# Altium PCB B1029_T01_V1.1.PcbDoc (part 1 of 2)
Units mm, origin at the board's own origin, x right, y up, seen from the top; angles counter-clockwise.
Board outline 50.91 x 35.43 mm, 4 copper layers (Top Layer, Mid-Layer 1, Mid-Layer 2, Bottom Layer), stack 0.842 mm thick; 178 components, 127 nets, 732 pads, 277 vias.
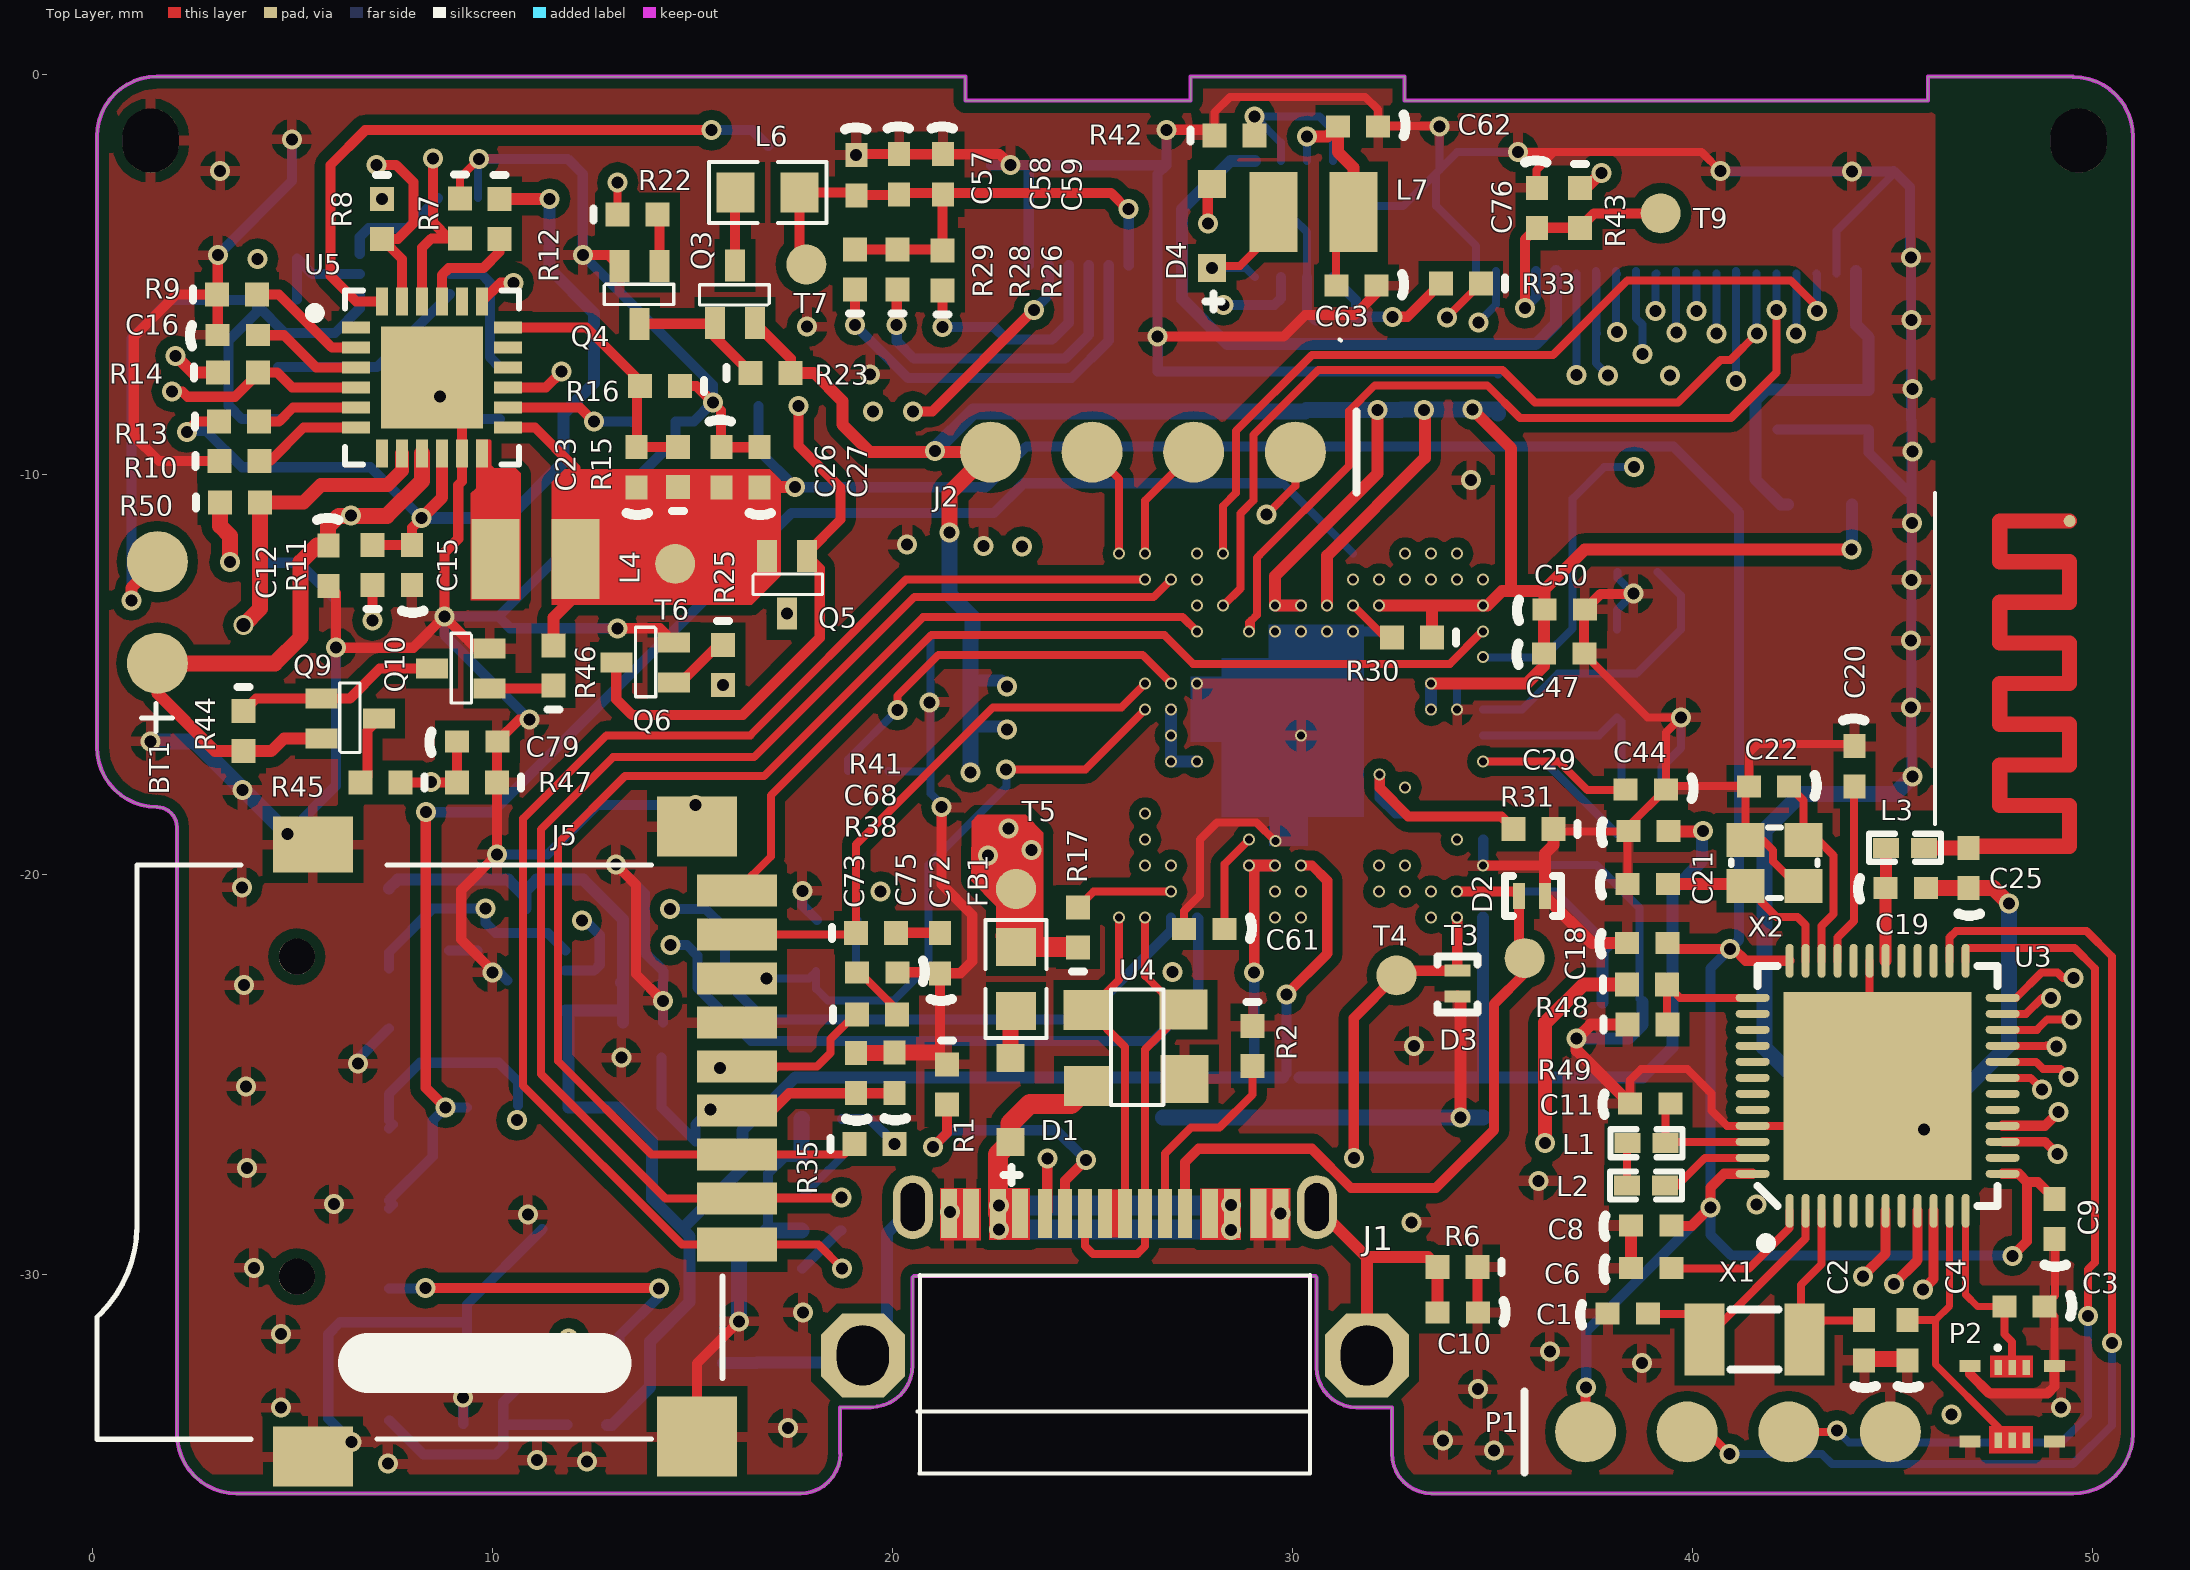
[diagram p0: Top Layer view]
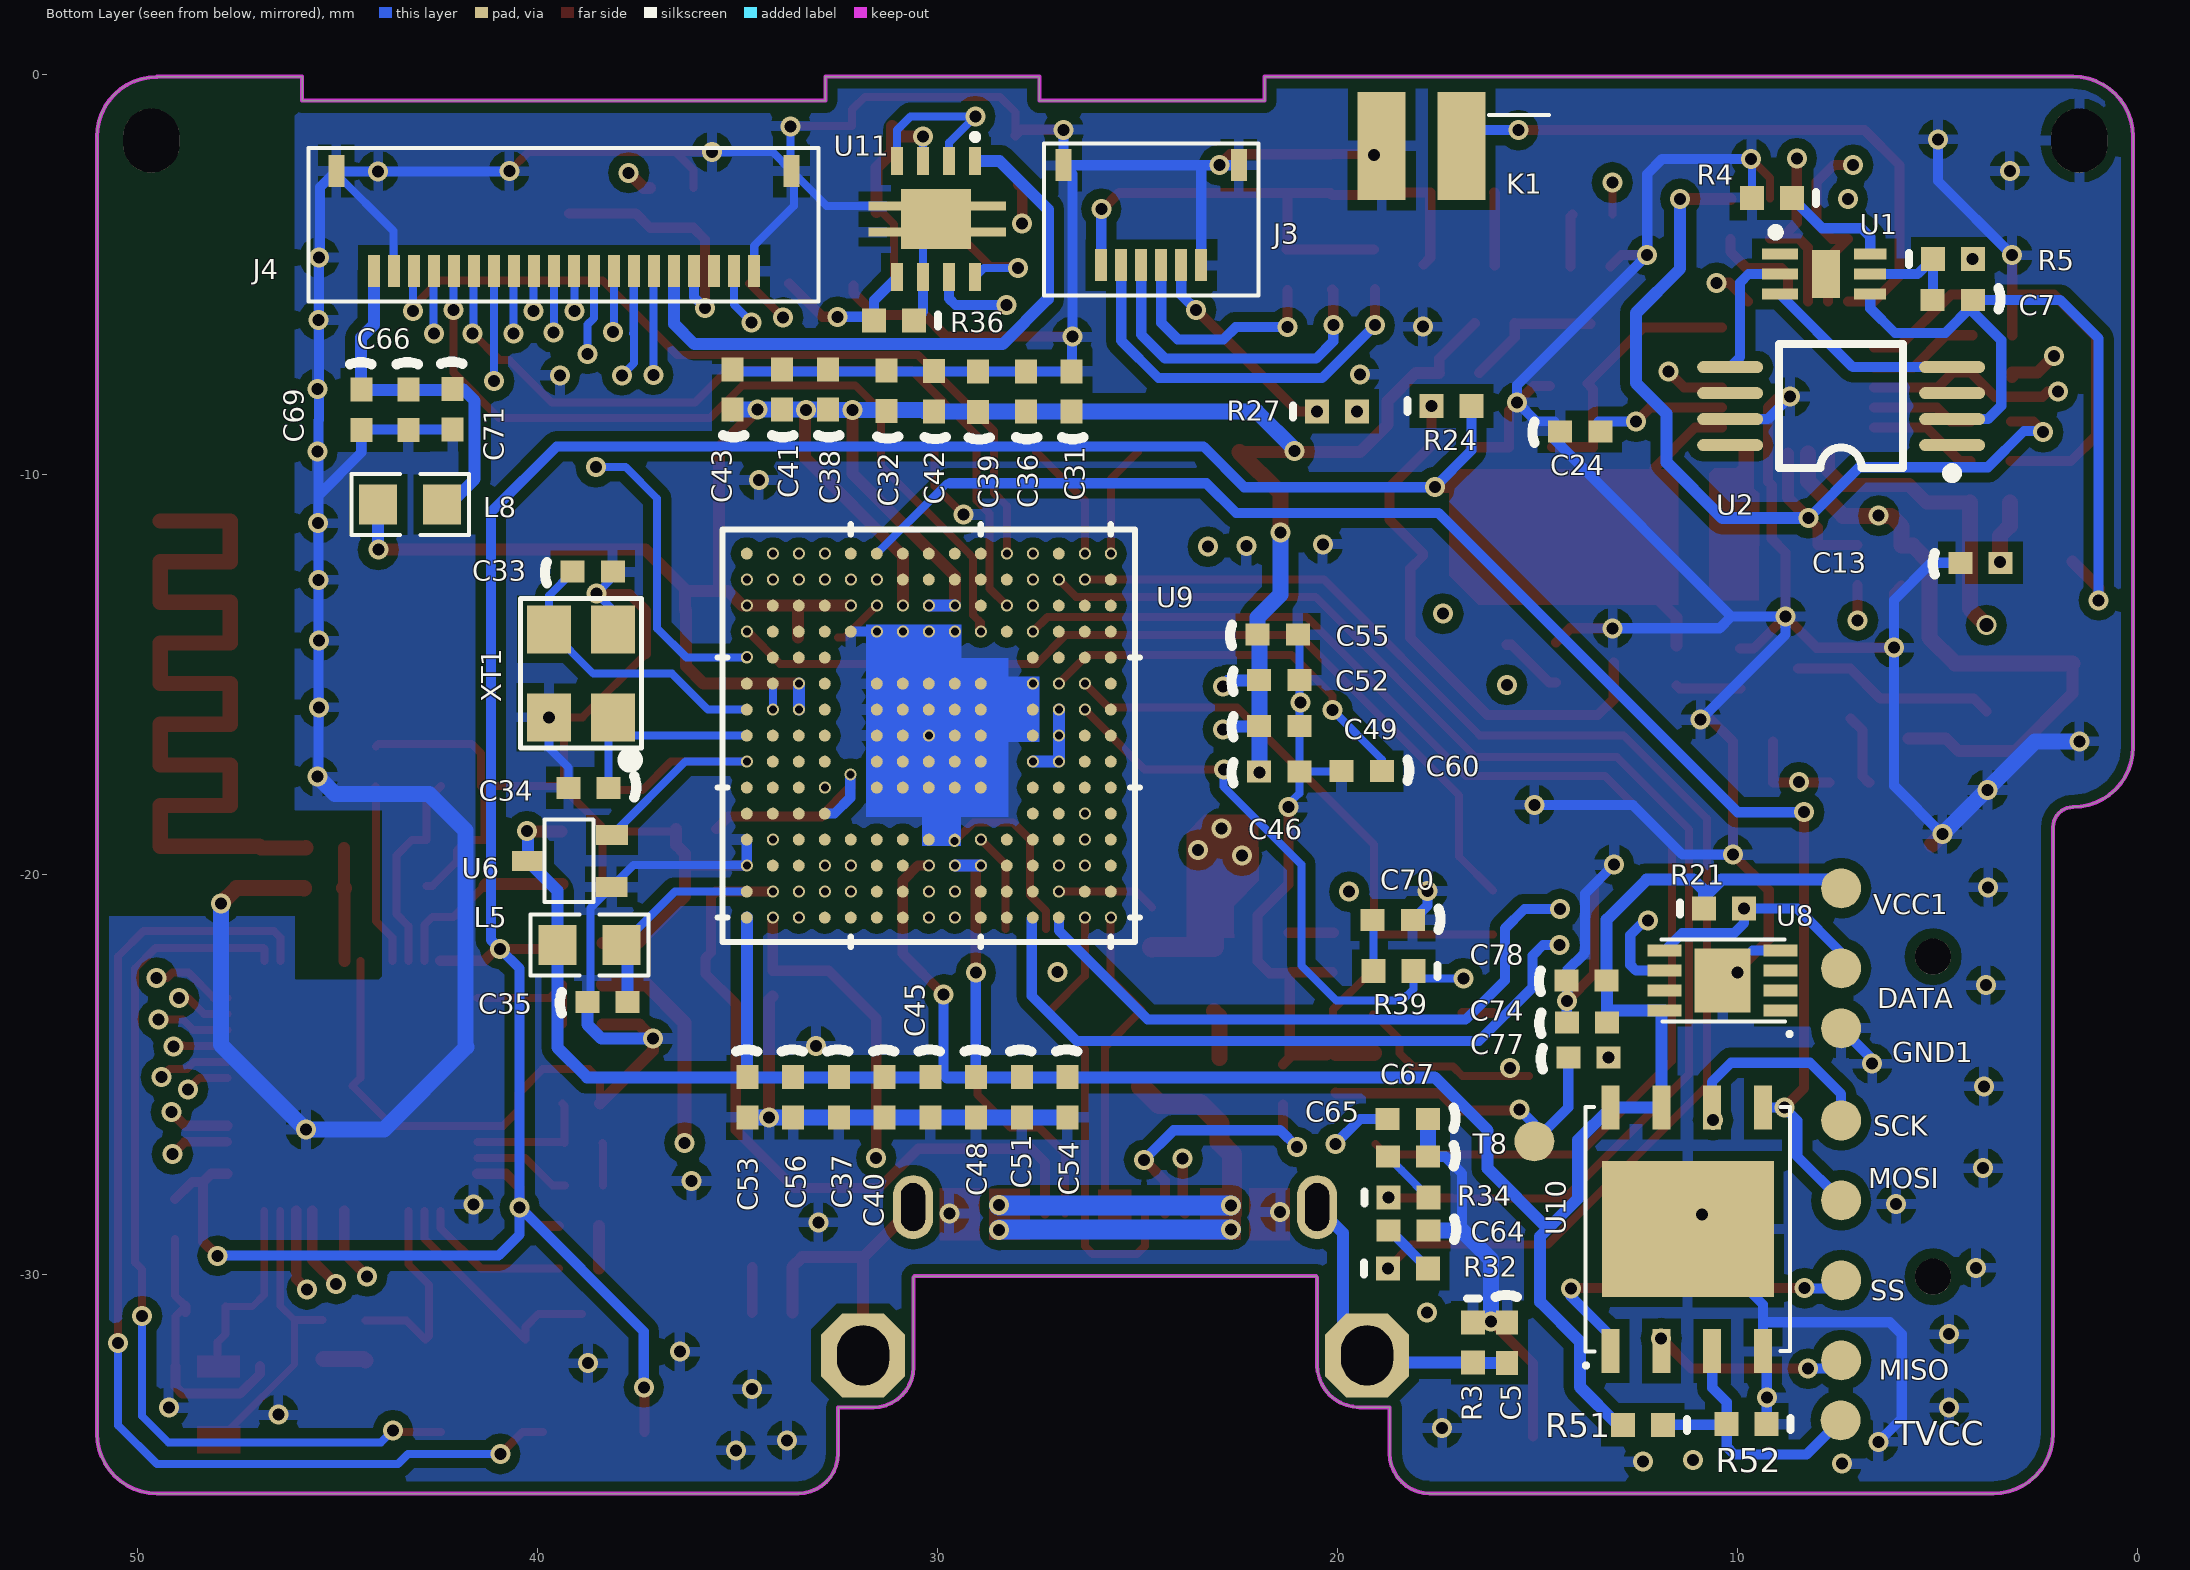
[diagram p1: Bottom Layer view, seen from below]
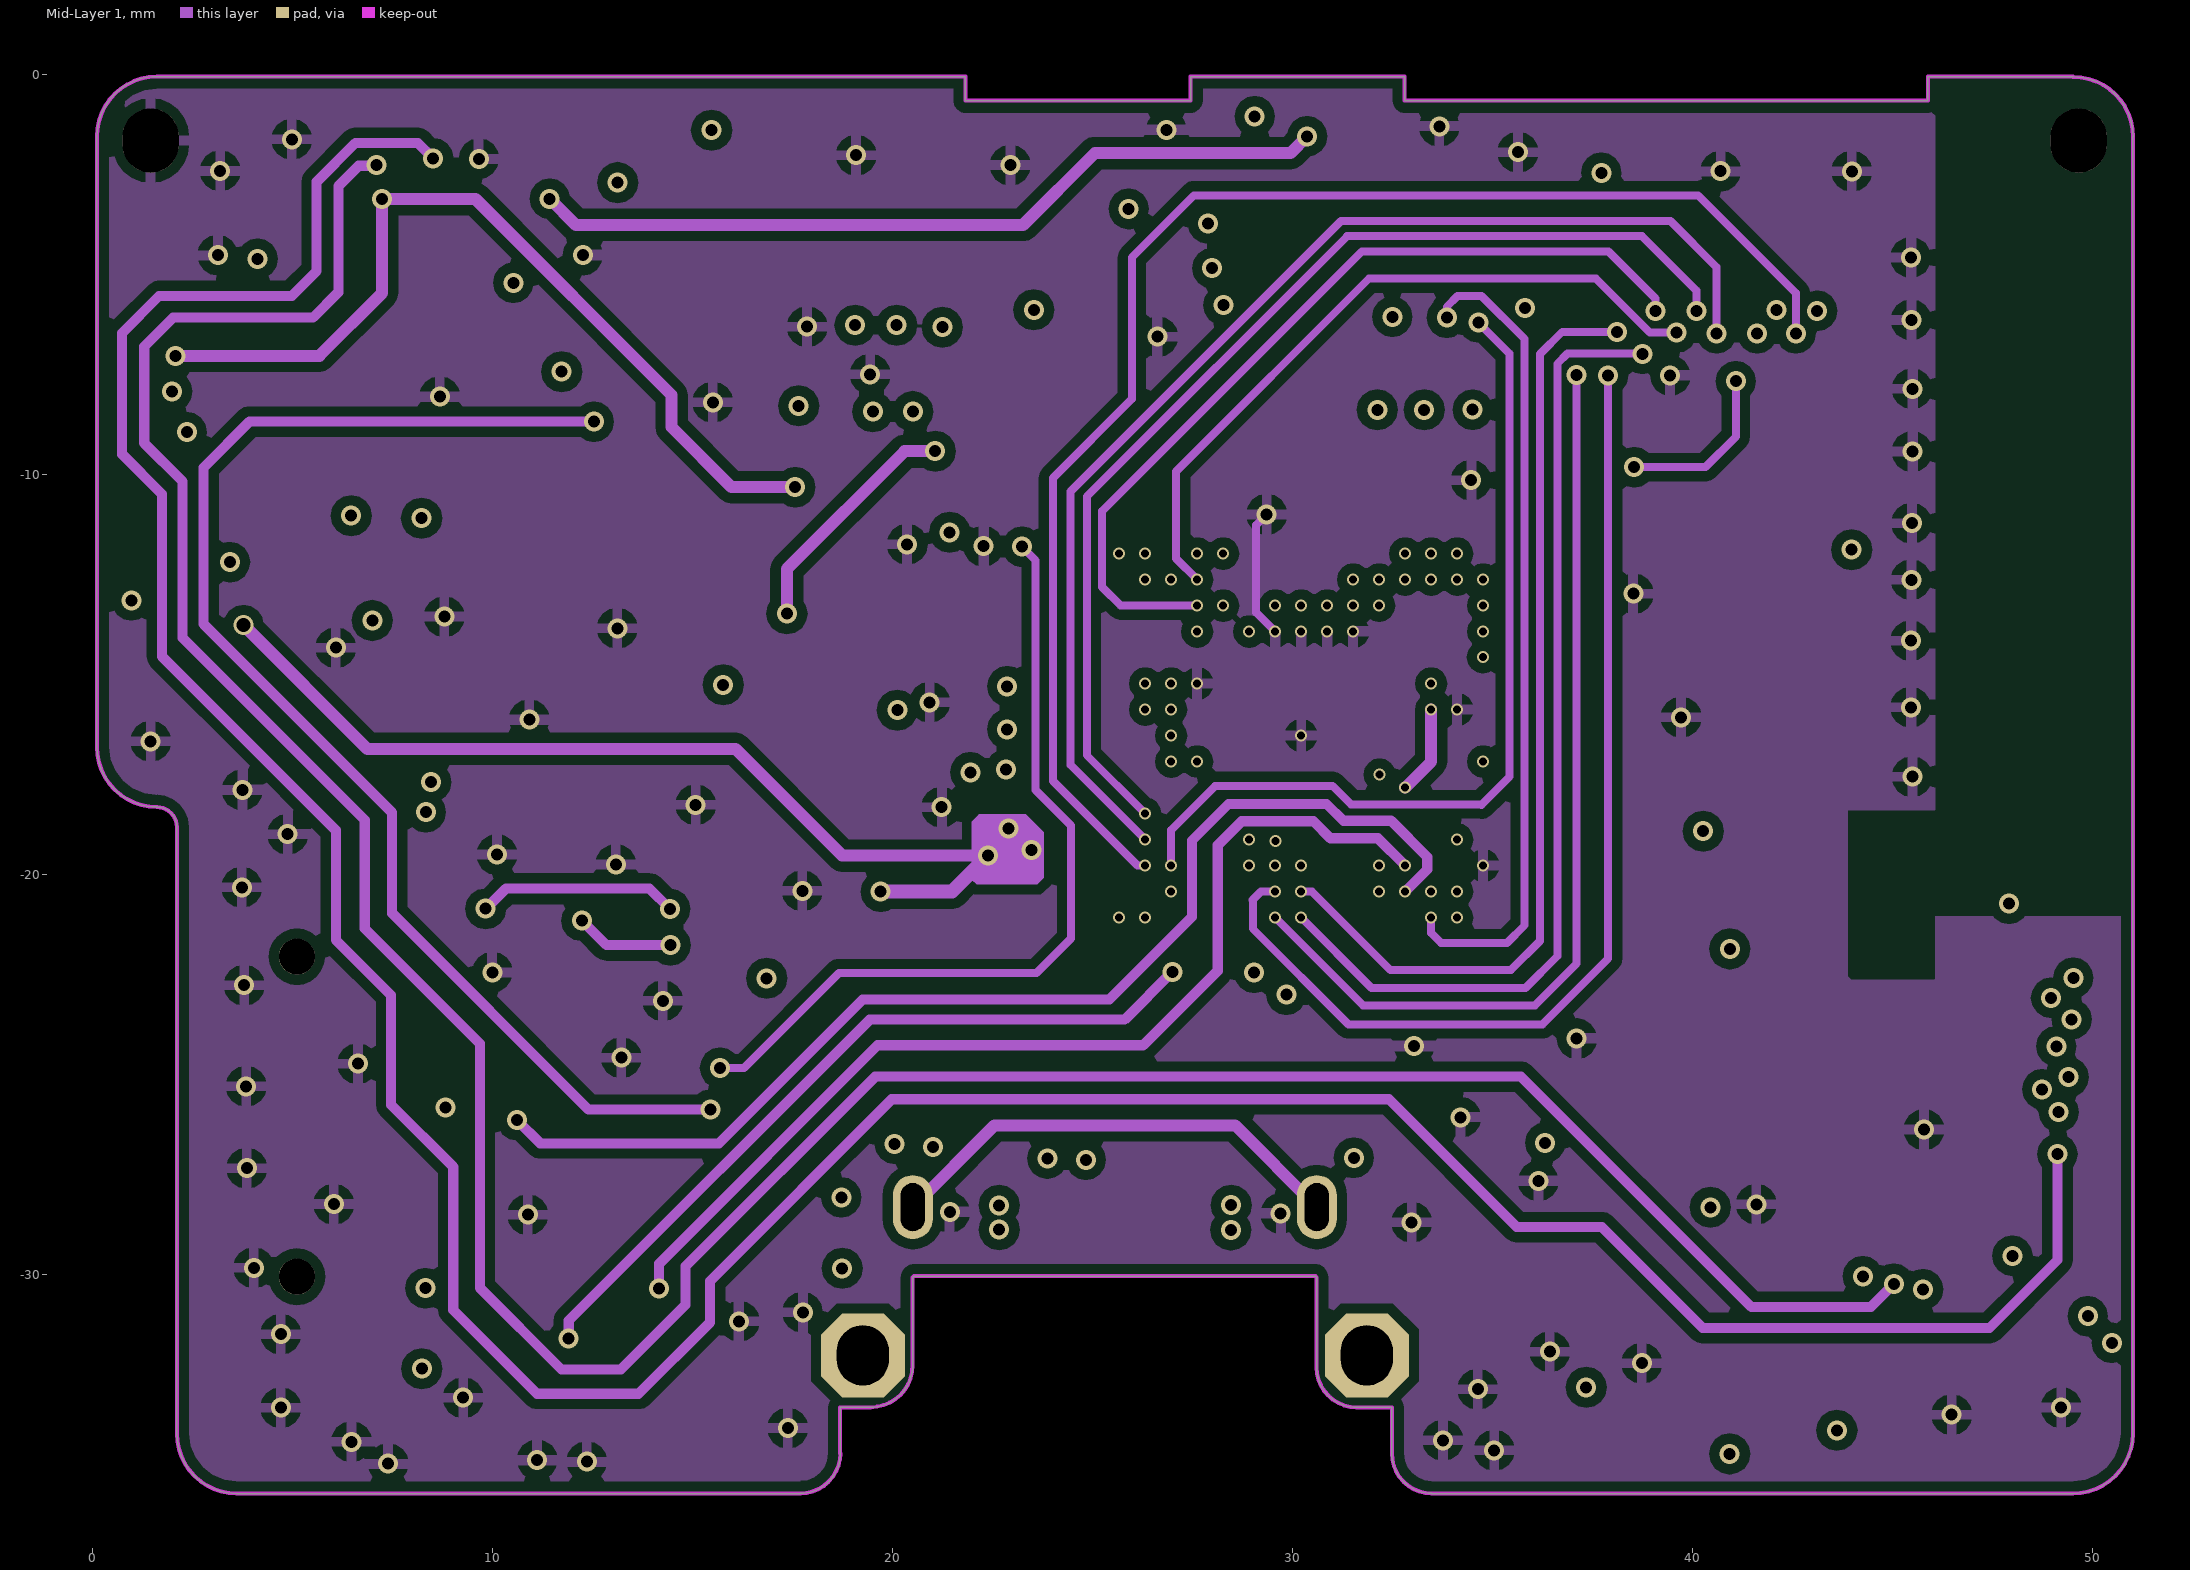
[diagram p2: Mid-Layer 1]
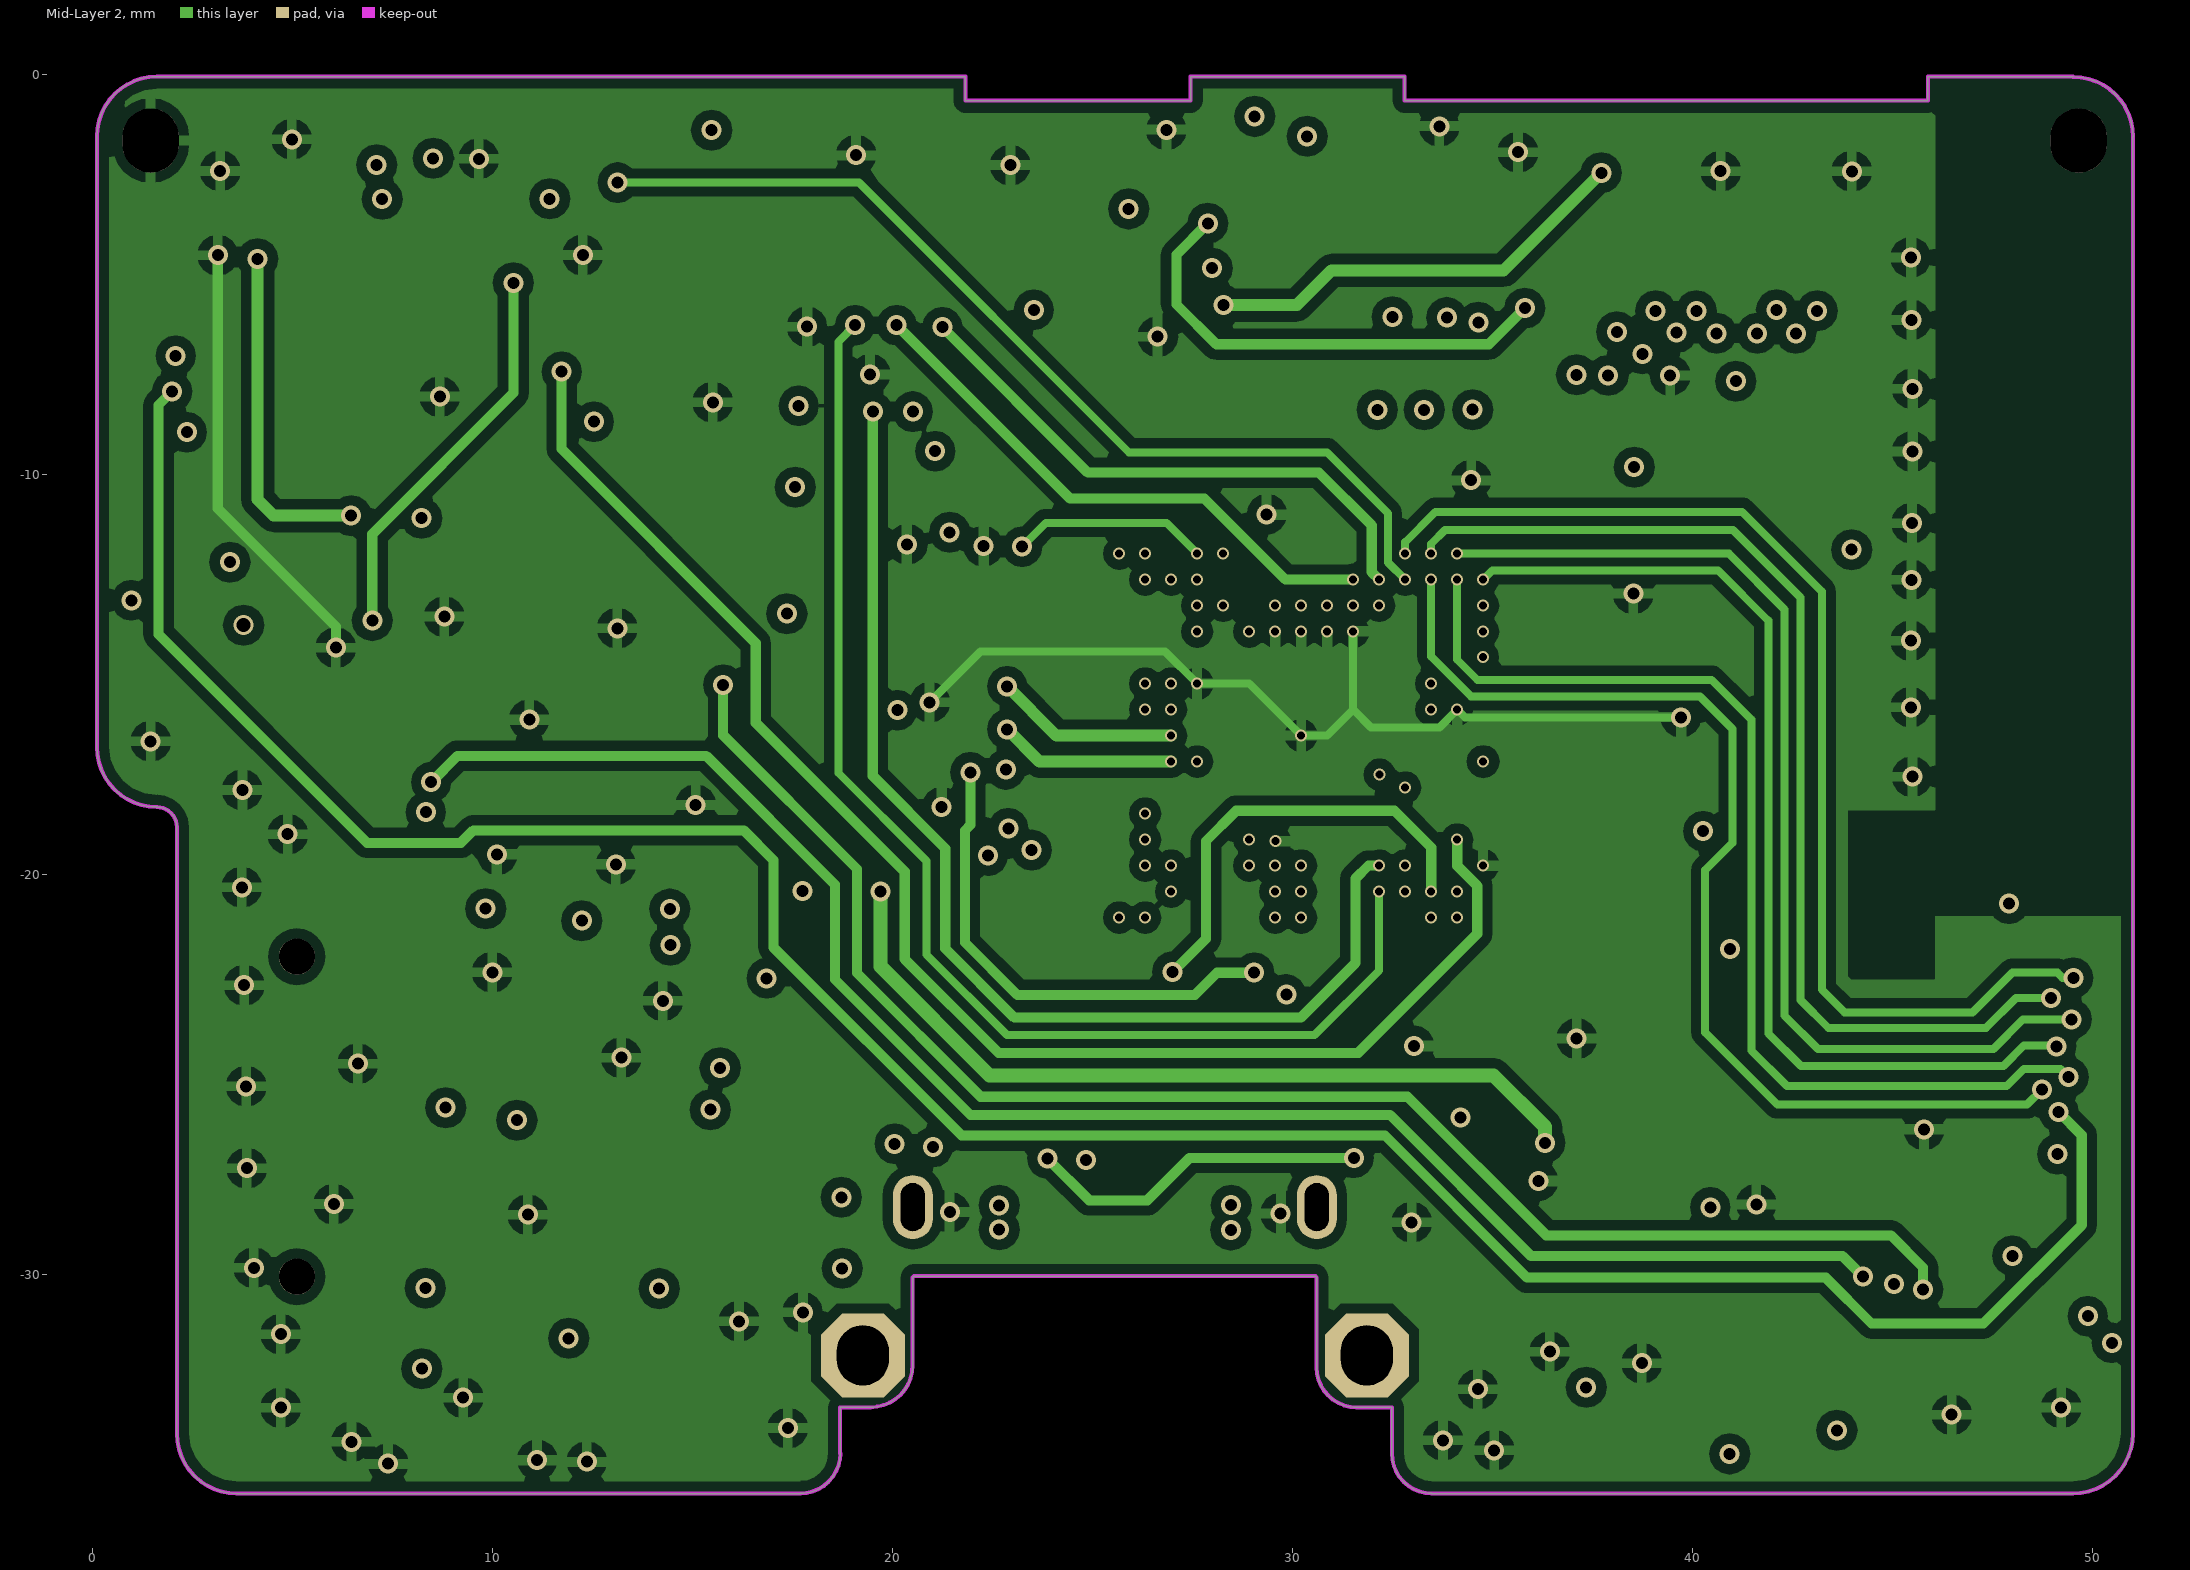
[diagram p3: Mid-Layer 2]

## Layer stack, top to bottom
Top Layer: signal copper 0.0356
Dielectric: core 0.2, FR-4, Dk 4.8
Mid-Layer 1: signal copper 0.0356
Dielectric: prepreg 0.2, FR-4, Dk 4.8
Mid-Layer 2: signal copper 0.0356
Dielectric: core 0.3, FR-4, Dk 4.8
Bottom Layer: signal copper 0.0356

## Board outline
2.119,-33.978 ccw(c3.619,-33.978) 3.619,-35.478 17.704,-35.478 17.704,-35.476 ccw(c17.704,-34.476) 18.704,-34.476 18.703,-34.474 18.703,-33.323 19.459,-33.323 19.459,-33.322 ccw(c19.459,-32.266) 20.516,-32.266 20.516,-30.081 20.551,-30.046 30.584,-30.046 30.611,-30.073 30.611,-32.323 ccw(c31.611,-32.323) 31.611,-33.323 32.493,-33.323 32.493,-34.477 ccw(c33.493,-34.477) 33.493,-35.477 33.485,-35.478 49.52,-35.478 49.519,-35.48 ccw(c49.519,-33.98) 51.019,-33.98 51.02,-33.978 51.02,-1.561 51.025,-1.561 ccw(c49.525,-1.561) 49.525,-0.061 49.525,-0.054 45.895,-0.054 45.895,-0.659 32.81,-0.659 32.81,-0.054 27.464,-0.054 27.464,-0.659 21.832,-0.659 21.832,-0.054 1.619,-0.054 1.619,-0.055 ccw(c1.619,-1.555) 0.119,-1.555 0.119,-16.816 ccw(c1.619,-16.816) 1.619,-18.316 1.619,-18.319 cw(c1.619,-18.819) 2.119,-18.819

## Design rules (kind name [scope] priority, off if disabled: settings)
Clearance Polygon [InPolygon] p1: gap=0.254
Clearance Clearance_1 [All] p2: gap=0.1
ComponentClearance [All] p1: gap=0.1 collisioncheckmode=3 verticalgap=0.1 showdistances=FALSE
HoleToHoleClearance [All] p1: gap=0.125 allowstackedmicrovias=TRUE
MinimumSolderMaskSliver [All] p1: minsoldermaskwidth=0
PolygonConnect [All] p1: connectstyle=Relief reliefconductorwidth=0.254 reliefentries=4 polygonreliefangle="90 Angle" airgapwidth=0.254
RoutingVias [All] p1: holewidth=0.125 width=0.125 viastyle="Through Hole" minholewidth=0.125 minwidth=0.125 maxholewidth=0.711 maxwidth=2
SilkToSilkClearance [All] p1: silktosilkclearance=0.125
SilkToSolderMaskClearance [IsPad] p1: minsilkscreentomaskgap=0 clearancetoexposedcopper=TRUE
SolderMaskExpansion [All] p1: expansion=0.102
Width [All] p1: maxlimit=0.5 minlimit=0.125 preferedwidth=0.254 minimp=50.000000 maximp=50.000000 favimp=50.000000
23 further rules are at their usual default settings.

## Components (designator, comment, footprint, x,y, rotation, side; value= is the part's Value field where it differs from the comment)
BT1 "Battery" BAT_CON 1.633,-14.723 r90 top
C1 "12pF" 0402-C 37.505,-30.993 r0 top
C2 "12pF" 0402-C 44.31,-32.537 r90 top
C3 "300pF" 0402-C 49.198,-30.794 r180 top
C4 "300pF" 0402-C 45.391,-32.536 r90 top
C5 "1nF/50V" 0402-C 15.779,-30.818 r270 bottom
C6 "100nF" 0402-C 38.085,-29.855 r0 top
C7 "100nF" 0402-C 3.736,-5.626 r0 bottom
C8 "100nF" 0402-C 38.085,-28.788 r0 top
C9 "100nF" 0402-C 49.07,-29.505 r90 top
C10 "1nF/50V" 0402-C 35.03,-30.947 r180 top
C11 "1uF" 0402-C 38.063,-25.734 r0 top
C12 "4.7uF" 0402-C 5.903,-11.391 r270 top
C13 "4.7uF" 0402-c 4.822,-12.22 r180 bottom
C15 "4.7uF" 0402-C 8.001,-13.155 r90 top
C16 "100nF" 0402-C 2.752,-6.523 r0 top
C18 "100nF" 0402-C 37.989,-21.721 r0 top
C19 "0.8pF" 0402-C 44.453,-20.349 r0 top
C20 "100pF" 0402-C 44.049,-16.409 r270 top
C21 "12pF" 0402-C 37.999,-20.245 r0 top
C22 "12pF" 0402-C 42.811,-17.792 r180 top
C23 "10pF" 0402-C 13.619,-10.71 r90 top
C24 "4.7uF" 0402-c 14.831,-8.936 r180 bottom
C25 "1.2pF" 0402-C 46.921,-20.73 r90 top
C26 "100nF" 0402-C 15.72,-8.936 r270 top
C27 "4.7uF" 0402-C 16.691,-10.714 r90 top
C29 "100nF" 0402-C 38.021,-18.928 r0 top
C31 "1nF" 0402-C 26.642,-8.817 r90 bottom
C32 "100nF" 0402-C 31.27,-8.801 r90 bottom
C33 "20p" 0402-C 39.52,-12.441 r180 bottom
C34 "20p" 0402-C 37.844,-17.826 r0 bottom
C35 "100nF" 0402-C 39.147,-23.201 r180 bottom
C36 "10nF" 0402-C 27.785,-8.817 r90 bottom
C37 "10nF" 0402-C 32.484,-24.684 r270 bottom
C38 "100nF" 0402-C 32.736,-8.768 r90 bottom
C39 "100nF" 0402-C 28.981,-8.824 r90 bottom
C40 "100nF" 0402-C 31.341,-24.684 r270 bottom
C41 "100nF" 0402-C 33.889,-8.768 r90 bottom
C42 "1uF" 0402-C 30.08,-8.813 r90 bottom
C43 "1uF" 0402-C 35.118,-8.768 r90 bottom
C44 "100nF" 0402-C 39.734,-17.863 r180 top
C45 "1nF" 0402-C 30.198,-24.684 r270 bottom
C46 "100nF" 0402-C 22.352,-17.443 r180 bottom
C47 "100nF" 0402-C 35.912,-14.487 r0 top
C48 "10nF" 0402-C 29.055,-24.684 r270 bottom
C49 "100nF" 0402-C 22.352,-16.3 r180 bottom
C50 "100nF" 0402-C 35.926,-13.386 r0 top
C51 "100nF" 0402-C 27.912,-24.684 r270 bottom
C52 "100nF" 0402-C 22.352,-15.157 r180 bottom
C53 "100nF" 0402-C 34.77,-24.684 r270 bottom
C54 "2.2uF" 0402-C 26.769,-24.684 r270 bottom
C55 "1uF" 0402-C 22.39,-14.013 r180 bottom
C56 "1uF" 0402-C 33.627,-24.684 r270 bottom
C57 "1uf" 0402-C 19.099,-1.629 r270 top
C58 "100nF" 0402-C 20.165,-1.603 r270 top
C59 "10nF" 0402-C 21.262,-1.608 r270 top
C60 "2.2uF" 0402-C 18.517,-17.41 r0 bottom
C61 "2.2uF" 0402-C 28.69,-21.357 r180 top
C62 "100nF" 0402-C 32.535,-1.291 r180 top
C63 "4.7uF" 0402-C 32.497,-5.272 r180 top
C64 "47pF" 0402-C 17.345,-28.89 r0 bottom
C65 "47pF" 0402-C 17.356,-27.049 r0 bottom
C66 "10nF" 0402-C 43.247,-7.499 r270 bottom
C67 "47pF" 0402-C 17.361,-26.104 r0 bottom
C68 "47pF" 0402-C 20.515,-22.437 r180 top
C69 "10nf" 0402-C 44.415,-7.499 r270 bottom
C70 "47pF" 0402-C 17.739,-21.13 r0 bottom
C71 "100nF" 0402-C 42.14,-7.487 r270 bottom
C72 "47pF" 0402-C 21.211,-22.858 r90 top
C73 "1uF" 0402-C 19.105,-25.855 r90 top
C74 "1uf" 0402-C 14.661,-23.711 r180 bottom
C75 "10nf" 0402-C 20.066,-25.844 r90 top
C76 "4.7uF" 0402-C 36.106,-2.453 r270 top
C77 "100nf" 0402-C 14.623,-24.592 r180 bottom
C78 "100nF" 0402-C 14.672,-22.658 r180 bottom
C79 "4.7uF" 0402-C 8.737,-16.686 r0 top
D1 "PMEG3005EJ" SOD323 22.961,-24.586 r270 top
D2 "PESD5V0S1BL" SOD882 36.32,-20.544 r180 top
D3 "PESD5V0S1BL" SOD882 34.135,-23.058 r90 top
D4 "PMEG4005EJ" SOD323 27.999,-2.746 r270 top
DATA "CHECK" TEST_P#1 6.385,-23.19 r90 bottom (schematic designator SE_ONEWIRE)
FB1 "MF-FSMF020X-2" 0603-1 23.097,-22.616 r90 top
GND1 "CHECK" TEST_P#2 6.396,-25.235 r180 bottom
J1 "TPYE_C2" TYPEC2 21.974,-28.478 r0 top locked
J2 "ST_SWD" SWD_CON 30.08,-9.442 r180 top
J3 "GB042-10S-H10" 6PIN-1 23.417,-4.77 r0 bottom locked
J4 "20PIN" 20PIN-2 39.202,-4.305 r0 bottom locked
J5 "ATTEND_112J-TDAR-R01" TF_1 16.119,-29.256 r90 top locked
K1 "ON/OFF" SWITCH_CON1 18.903,-1.79 r180 bottom
L1 "15nH" INDC1005X04L 38.857,-26.721 r180 top
L2 "10uH" INDC1005X04L 38.849,-27.776 r0 top
L3 "3.9nH" INDC1005X04L 45.325,-19.335 r0 top
L4 "4u7 VLS252008ET-4R7" L_2.5X2.0 11.91,-12.111 r180 top
L5 "BLM18AG102SN1D" 0603-1 38.707,-21.763 r180 bottom
L6 "BLM18AG102SN1D" 0603-1 16.889,-2.95 r0 top
L7 "4u7 VLS252008ET-4R7" L_2.5X2.0 31.363,-3.44 r180 top
L8 "BLM18AG102SN1D" 0603-1 43.191,-10.753 r0 bottom
MISO "CHECK" TEST_P#3 6.316,-31.963 r180 bottom